# Allegro board BeagleBone_AI-64_Rev_B1_PCB_220602.brd (continued)
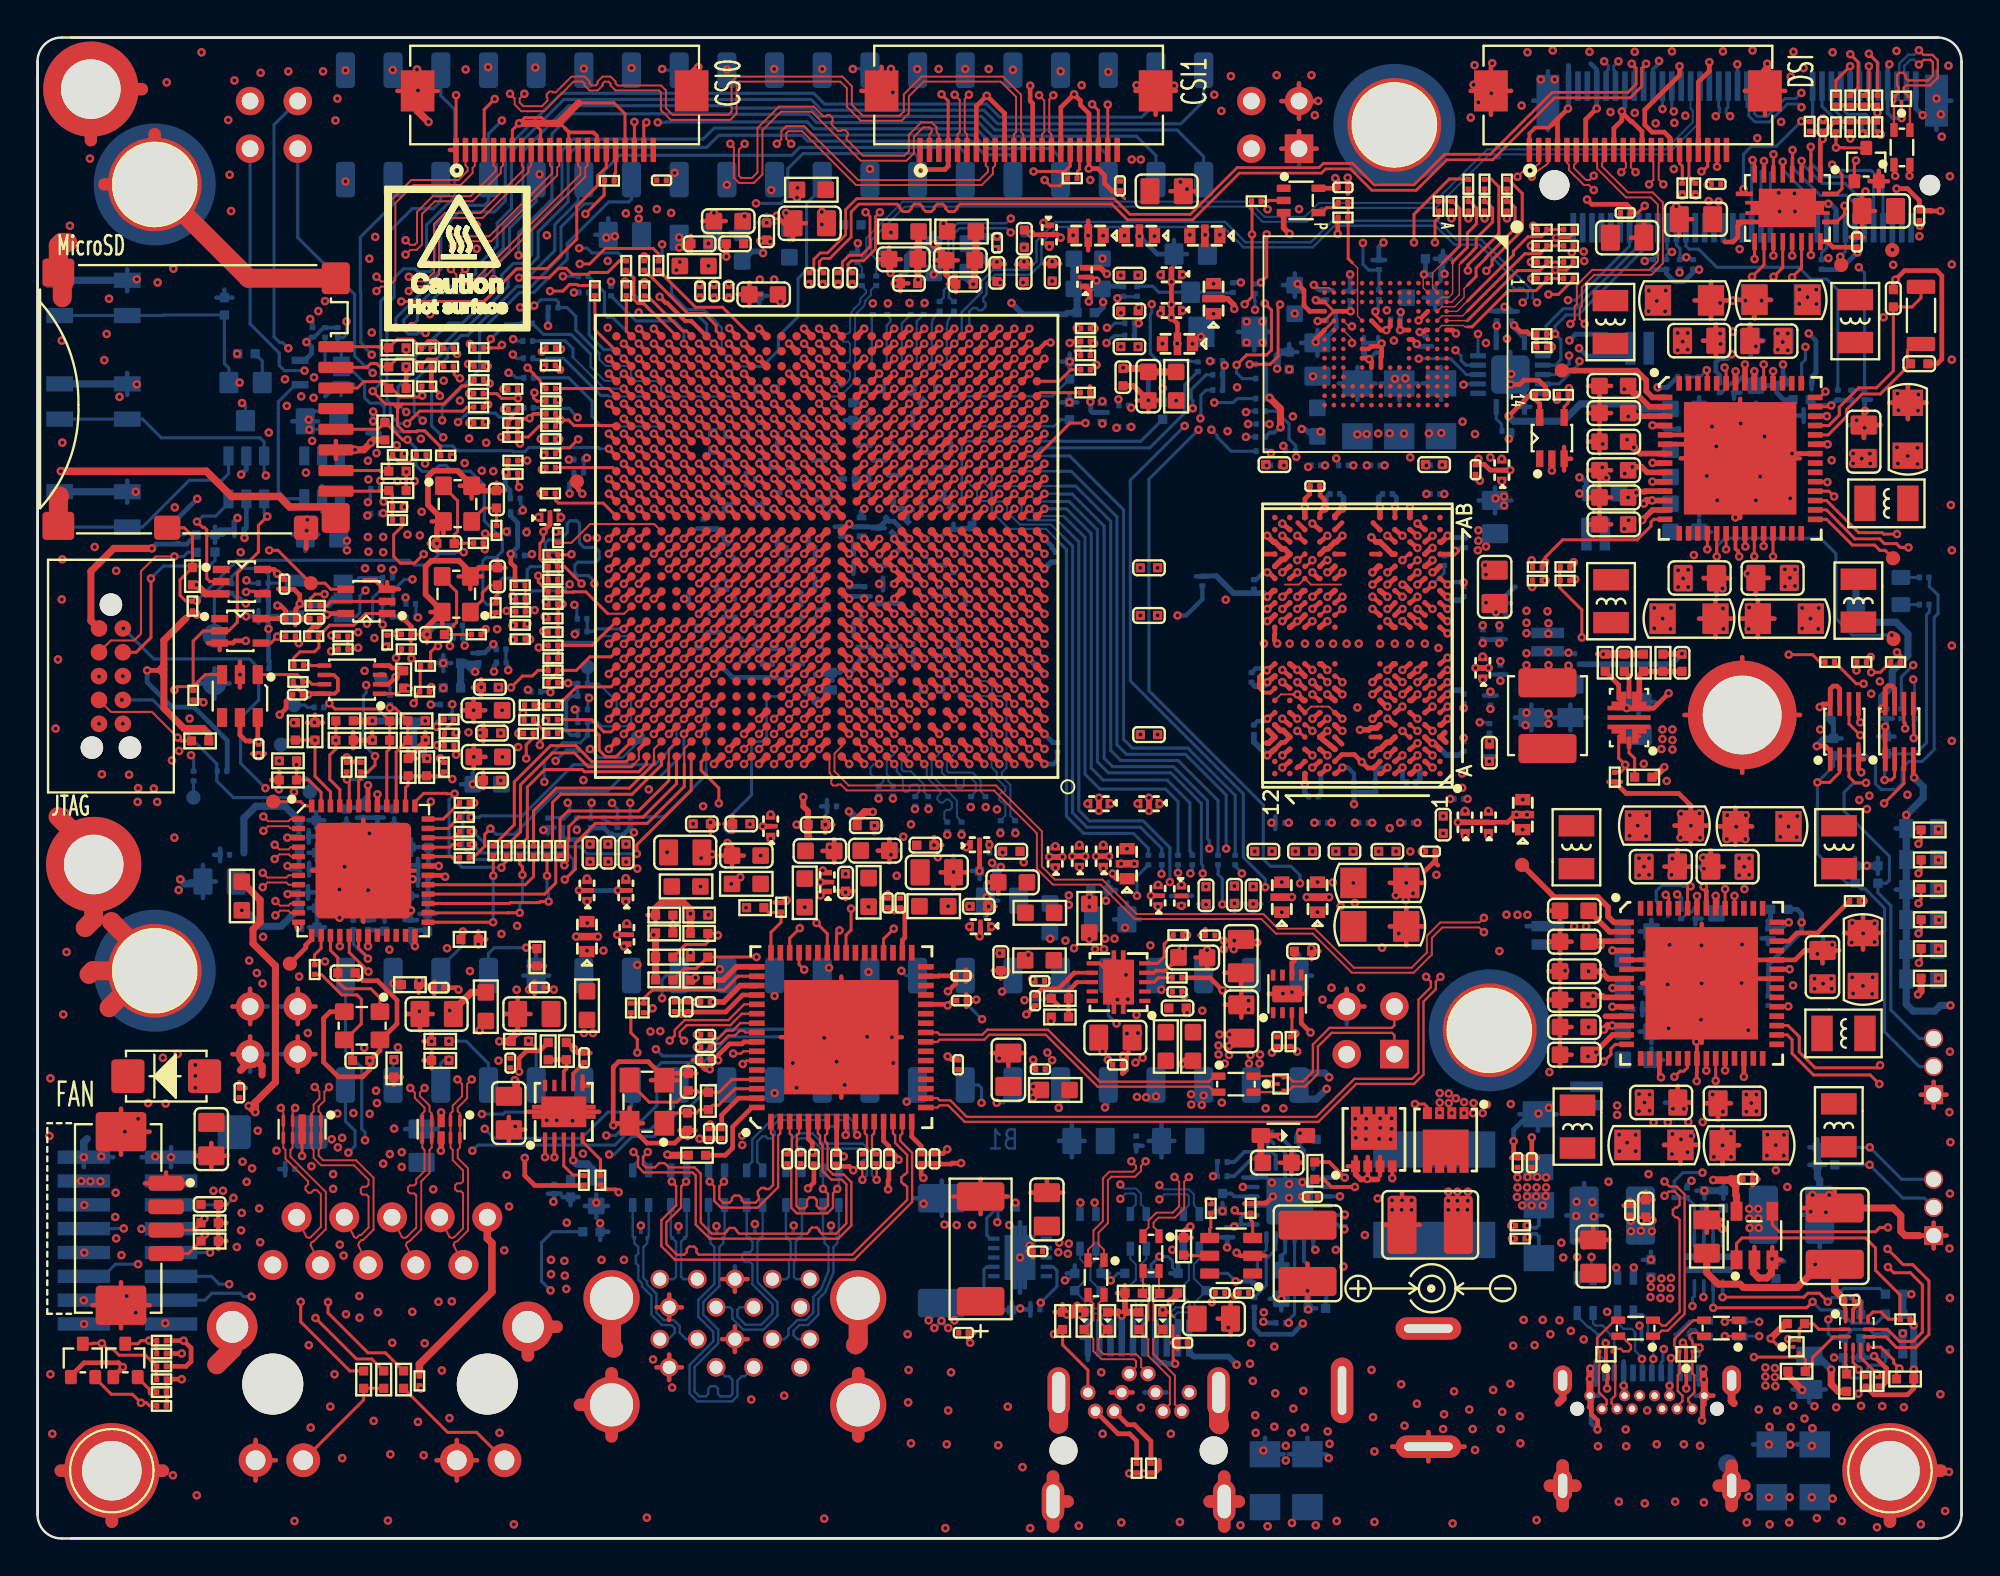
[diagram p0: board, top side]
## Nets (continued)
V3V3_VDD33USB: C4.1 C247.1 C323.1 C324.1 C356.1 C358.1 C381.1 C385.1 C399.1 FL22.1 U20.16 U20.34 U20.52 U20.63
V4_USBC_INT: R82.2 U19.V4 U21.6
V5_AB25: P9.29 R128.2 R264.2
V5_SYS_BOOTMODE5: R264.1 R269.1 R270.2 U19.V5
V6_AE28: P9.30 R132.2 R242.2
V6_SYS_BOOTMODE4: R238.1 R241.2 R242.1 U19.V6
V23_DSI_GPIO1: R349.1 U19.V23
V24_LED_USR3: R371.1 U19.V24
V25_CSI1_GPIO1: J15.17 U19.V25
V26_LED_USR4: R372.1 U19.V26
V27_EHRPWM0_B: P8.13 U19.V27
V28_MCASP10_AXR0: U19.V28 U32.17
V29_EHRPWM0_A: P8.19 U19.V29
VBUS_5V0_TYPEA: C142.1 C157.1 C384.1 C388.1 J8.1 J8.10(VBUS_1) U4.9
VCC_LM5141: C453.1 D41.1 U3.10
VDD1_LPDDR4_1V8_REG: C494.1 R31.1 U30.13
VDD_1V1: C339.1 C414.1 C540.1 FL12.1 FL24.1 R244.1 R277.1 U18.9 U18.10
VDD_2V5: C315.1 C433.1 FL8.1 FL9.1 R166.1 R243.1 U9.9 U9.10
VDD_ADC_1V8_3V3: FL1.2 P9.32
VDD_ADC_1V8_3V3_REG: C493.1 FL1.1 U30.11
VDD_CORE_0V8: C14.1 C16.1 C32.1 C35.1 C74.1 C75.1 C86.1 C86.3(OUTPUT) C95.1 C95.3(OUTPUT) C102.1 C104.1 C107.1 C108.1 C108.3(OUTPUT) C117.1 C117.3(OUTPUT) C123.1 C150.1 C158.1 C159.1 C163.1 C178.1 C192.1 C196.1 C197.1 C198.1 C202.1 C203.1 C204.1 C207.1 C207.3(OUTPUT) C209.1 C214.1 C216.1 C217.1 C218.1 C219.1 C219.3(OUTPUT) C225.1 C231.1 C232.1 C233.1 C234.1 C235.1 C236.1 C242.1 C374.1 C374.3(OUTPUT) C376.1 C391.1 C392.1 C392.3(OUTPUT) C393.1 C393.3(OUTPUT) C412.1 C412.3(OUTPUT) C432.1 C432.3(OUTPUT) C438.1 C438.3(OUTPUT) C442.1 C448.1 C450.1 C454.1 C454.3(OUTPUT) C461.1 C461.3(OUTPUT) C464.1 C465.1 C500.1 C503.1 C514.1 C515.1 FL5.1 FL7.1 FL14.1 FL16.1 FL17.1 FL20.1 FL21.1 L16.2 L17.2 L20.2 L21.2 U19.J10 U19.K9 U19.K11 U19.K13 U19.K15 U19.K17 U19.L10 U19.L16 U19.L18 U19.M15 U19.N14 U19.N16 U19.N18 U19.P13 U19.P15 U19.P17 U19.R14 U19.R16 U19.R18 U19.R20 U19.T9 U19.T15 U19.T17 U19.U14 U19.U16 U19.U18 U19.V15 U19.V17 U19.V20 U19.W14 U29.22
VDD_CORE_0V8_REG_SW1: L20.1 U29.27 U29.28
VDD_CORE_0V8_REG_SW2: L17.1 U29.15 U29.16
VDD_CORE_0V8_REG_SW3: L21.1 U29.43 U29.44
VDD_CORE_0V8_REG_SW4: L16.1 U29.55 U29.56
VDD_CORE_RAM_0V85: C120.1 C124.1 C189.1 C199.1 C220.1 C252.1 FL4.2 U19.L14 U19.V13 U19.V16 U19.W19
VDD_CPU_AVS: C9.1 C10.1 C24.1 C62.1 C71.1 C80.1 C105.1 C155.1 C162.1 C165.1 C166.1 C167.1 C168.1 C169.1 C169.3(OUTPUT) C175.1 C176.1 C184.1 C195.1 C195.3(OUTPUT) C395.1 C403.1 C411.1 C415.1 C415.3(OUTPUT) C423.1 C424.1 C425.1 C426.1 C426.3(OUTPUT) C435.1 C435.3(OUTPUT) C436.1 C436.3(OUTPUT) C437.1 C437.3(OUTPUT) C441.1 C441.3(OUTPUT) C444.1 C444.3(OUTPUT) C506.1 C518.1 C519.1 L19.2 L23.2 L24.2 U19.N10 U19.P11 U19.R10 U19.R12 U19.U10 U19.V9 U19.V11 U19.W10 U30.22
VDD_CPU_AVS_REG_SW1: L24.1 U30.27 U30.28
VDD_CPU_AVS_REG_SW2: L19.1 U30.15 U30.16
VDD_CPU_AVS_REG_SW3: L23.1 U30.43 U30.44
VDD_CPU_RAM_0V85: C109.1 C112.1 C171.1 C187.1 FL25.2 U19.L11 U19.W12
VDD_DDR_1V1: C49.1 C50.1 C53.1 C55.1 C56.1 C57.1 C60.1 C61.1 C64.1 C69.1 C70.1 C73.1 C82.1 C85.1 C90.1 C98.1 C103.1 C115.1 C116.1 C127.1 C128.1 C130.1 C131.1 C133.1 C134.1 C139.1 C140.1 C141.1 C145.1 C146.1 C147.1 C413.1 C413.3(OUTPUT) C417.1 C417.3(OUTPUT) C418.1 C418.3(OUTPUT) C422.1 C422.3(OUTPUT) C428.1 C429.1 C430.1 C431.1 C431.3(OUTPUT) C451.1 C452.1 C457.1 C460.1 C463.1 C466.1 C468.1 C469.1 C470.1 C471.1 C471.3(OUTPUT) C472.1 C473.1 C473.3(OUTPUT) C474.1 C474.3(OUTPUT) C475.1 C476.1 C477.1 C477.3(OUTPUT) C479.1 C479.3(OUTPUT) R34.2 R38.1 R39.1 R42.1 R43.1 R44.1 U19.A1 U19.G8 U19.H7 U19.J6 U19.J8 U19.K7 U19.L8 U19.M7 U19.M9 U19.N8 U19.P7 U19.R6 U19.R8 U19.T1 U19.T7 U25.A4 U25.A9 U25.AA3 U25.AA5 U25.AA8 U25.AA10 U25.AB4 U25.AB9 U25.B3 U25.B5 U25.B8 U25.B10 U25.D1 U25.D5 U25.D8 U25.D12 U25.F3 U25.F5 U25.F8 U25.F10 U25.H1 U25.H5 U25.H8 U25.H12 U25.K1 U25.K3 U25.K10 U25.K12 U25.N1 U25.N3 U25.N10 U25.N12 U25.R1 U25.R5 U25.R8 U25.R12 U25.U3 U25.U5 U25.U8 U25.U10 U25.W1 U25.W5 U25.W8 U25.W12 U29.49
VDD_DDR_1V1_REG: C45.1 C47.1 C504.1 L15.2 R34.1 R347.1 R348.1
VDD_DDR_1V8: C52.1 C54.1 C58.1 C59.1 C65.1 C77.1 C79.1 C89.1 C97.1 C99.1 C100.1 R31.2 U25.F1 U25.F12 U25.G4 U25.G9 U25.T4 U25.T9 U25.U1 U25.U12
VDD_IO_1V8_REG: C485.1 R33.1 U29.9
VDD_MCU_0V85: C244.1 C250.1 C250.3(OUTPUT) C251.1 C255.1 C340.1 C340.3(OUTPUT) C341.1 C341.3(OUTPUT) C343.1 C344.1 C345.1 C345.3(OUTPUT) C346.1 C347.1 C347.3(OUTPUT) FL13.1 R29.2 U19.L20 U19.M19 U19.M21 U19.N20 U19.P19 U30.50
VDD_MCU_0V85_REG: C30.1 C505.1 L18.2 R29.1
VDD_MCU_0V85_REG_SW: L18.1 U30.55 U30.56
VDD_MCU_RAM_0V85: C249.1 C349.1 C354.1 FL13.2 U19.K19 U19.T19
VDD_MMC1: C296.1 C301.1 J12.4 U5.5 U5.6(VOUT)
VDD_PHYIO_1V8: C1.1 C528.1 FL2.1 FL6.1 FL15.1 FL18.1 FL19.1 L25.2 U30.37
VDD_PHYIO_1V8_REG_SW: L25.1 U30.34
VDD_RAM_0V85_REG: C3.1 C524.1 FL4.1 FL25.1 L22.2 U29.37
VDD_RAM_0V85_REG_SW: L22.1 U29.34
VDD_SD_DV: C279.1 R32.2 R188.1 R189.1 R201.1 R202.1 R203.1 U19.T20 U19.T22
VDD_SD_DV_REG: C487.1 R32.1 U29.13
VDDA_0P8_CSIRX: C211.1 C213.1 C222.1 FL7.2 U19.H17
VDDA_0P8_DLL_MMC0: C113.1 C114.1 C154.1 FL3.2 U19.Y9
VDDA_0P8_DP: C148.1 C153.1 C179.1 C181.1 FL5.2 U19.G12 U19.J12
VDDA_0P8_DP_C: C194.1 C201.1 C386.1 C387.1 FL20.2 U19.G14 U19.H13
VDDA_0P8_DSITX: C210.1 C370.1 C372.1 FL16.2 U19.H15 U19.J16
VDDA_0P8_PLL_DDR: C156.1 C400.1 C401.1 FL23.2 U19.N9
VDDA_0P8_PLL_MLB: C144.1 C420.1 C427.1 FL26.2 U19.W8
VDDA_0P8_SERDES: C172.1 C183.1 C212.1 C276.1 C352.1 FL14.2 U19.AA12 U19.AA15 U19.Y11 U19.Y13 U19.Y14 U19.Y16
VDDA_0P8_SERDES_C: C193.1 C200.1 C206.1 C369.1 FL17.2 U19.AB12 U19.AB13 U19.AB14 U19.AB15
VDDA_0P8_USB: C238.1 C389.1 C390.1 FL21.2 U19.AA10 U19.AB9
VDDA_1P8_CSI_RX: C215.1 C363.1 C364.1 FL15.2 U19.G16
VDDA_1P8_DP: C173.1 C378.1 C379.1 FL18.2 U19.H11
VDDA_1P8_DSITX: C111.1 C149.1 C186.1 C191.1 FL6.2 U19.AC8 U19.J14 U19.W7
VDDA_1P8_SERDES: C87.1 C94.1 C190.1 C205.1 FL2.2 U19.AC11 U19.AC12 U19.AC14 U19.AC15
VDDA_1P8_USB: C161.1 C382.1 C383.1 FL19.2 U19.AC9
VDDA_LM5141: C106.2 U3.1 U3.2 U3.5 U3.19
VINT_LEOA_1V8: C489.1 R338.1 U30.2
VINT_LEOB_1V8: C482.1 U29.2
A23_USB_HUB_RST: R289.1 U19.A23
AA1_UART1_CTSN: U19.AA1 U32.13
AA2_UART0_RTSN: R55.1 U19.AA2
AA3_I2C6_SCL: R78.1 U19.AA3
AA4_UART1_RXD: U19.AA4 U32.15
AA6_I2C1_SDA: J15.21 R51.2 U19.AA6 U21.7
AA24_PRG0_PRU1_GPO7: P8.40 U19.AA24
AA25_PRG0_UART0_TXD: P8.29 U19.AA25
AA26_GPIO0_81: R255.1 U19.AA26
AA27_I2C5_SDA: J13.21 R235.2 U19.AA27
AA28_PRG0_PRU1_GPO8: P8.27 U19.AA28
AA29_USD_PWR_EN: R153.2 U6.2 U19.AA29
AB1_EQEP0_B: R48.1 U19.AB1
AB2_UART0_RXD: R373.1 U19.AB2
AB3_UART0_TXD: R375.1 U19.AB3
AB4_UART1_TXD: U19.AB4 U32.14
AB5_UART1_RTSN: U19.AB5 U32.12
AB23_MCAN8_RX: P8.23 U19.AB23
AB24_SYS_BOOTMODE7: P8.11 R118.2 R119.1 U19.AB24
AB25_MCASP0_AFSX: R128.1 U19.AB25
AB26_MCASP0_ACLKX: R254.1 U19.AB26
AB27_SYS_BOOTMODE6: P8.42 Q1.3 R218.1 R231.2 U19.AB27
AB28_PRG0_PWM0_TZ_OUT: P8.16 U19.AB28
AB29_PRG0_ECAP0_IN_APWM_OUT: P8.15 U19.AB29
AC2_AJ21: P9.42 R46.2 R53.2
AC2_EQEP0_A: R53.1 U19.AC2
AC4_EQEP0_S: R302.1 U19.AC4
AC4_W26: P9.25 R150.2 R302.2
AC21_AA3: P9.17 R78.2 R221.2
AC21_SPI6_CS0: R221.1 U19.AC21
AC22_SYS_BOOTMODE1: R232.2 R233.1 R234.1 U19.AC22
AC22_U29: P9.22 R234.2 R250.2
AC23_UART0_RXD: P9.11 U19.AC23
AC24_MCAN6_TX: P8.10 U19.AC24
AC25_PRG0_PRU1_GPO3: P8.44 U19.AC25
AC26_PRG0_PRU1_GPO6: P8.39 U19.AC26
AC27_PRG0_PWM2_A1: P8.26 U19.AC27
AC28_GPIO0_50: R129.1 U19.AC28
AC29_SYS_BOOTMODE2: P8.4 R258.2 R259.1 U19.AC29
AD5_EQEP0_I: P9.41 U19.AD5
AD20_SYS_BOOTMODE0: P8.24 R123.1 R133.2 U19.AD20
AD21_PRG1_PRU0_GPO10: R224.1 U19.AD21
AD22_UART2_TXD: P8.34 U19.AD22
AD23_EQEP1_A: R220.1 U19.AD23
AD23_Y3: P8.35 R67.2 R220.2
AD24_MCAN5_RX: P8.7 U19.AD24
AD25_PRG0_PRU0_GPO4: P9.15 U19.AD25
AD26_AB1: P9.27 R48.2 R130.2
AD26_MCASP0_AFSR: R130.1 U19.AD26
AD27_PRG0_PRU1_GPO2: P8.43 U19.AD27
AD28_UART4_RTSN: R253.1 U19.AD28
AD29_PRG0_PRU1_GPO4: P8.41 U19.AD29
AE20_MCAN4_TX: P8.36 U19.AE20
AE21_M.2_UART_WAKE#: J4.20 R5.2 U19.AE21
AE22_PWR_ST: R26.2 U19.AE22
AE23_M.2_SDIO_WAKE#: U2.10 U19.AE23
AE24_MCAN6_RX: P8.9 U19.AE24
AE25_UART2_CTSN: R223.1 U19.AE25
AE26_DP0_3V3_EN: R315.1 U19.AE26 U22.3
AE27_MCASP0_ACLKR: P9.12 U19.AE27
AE28_MCASP0_AXR1: R132.1 U19.AE28
AE29_UART4_CTSN: R252.1 U19.AE29
AF21_MCAN8_TX: P8.21 U19.AF21
AF22_PRG1_PWM2_A0: P8.17 U19.AF22
AF23_M.2_I2C_ALERT#: U2.11 U19.AF23
AF24_MCAN4_TX: R251.1 U19.AF24
AF26_PRG0_PWM1_B0: P8.20 U19.AF26
AF27_PRG0_PWM1_A0: P8.14 U19.AF27
AF28_MCASP0_AXR0: R131.1 U19.AF28
AF29_UART2_RTSN: R222.1 U19.AF29
AG20_SPI6_CS1: P9.23 U19.AG20
AG21_AD28: P8.32 R101.2 R253.2
AG21_EQEP1_S: R101.1 U19.AG21
AG22_UART0_TXD: P9.13 U19.AG22
AG23_M.2_RTSZ: J4.52 R19.1 R24.1 U19.AG23
AG24_MCAN5_TX: P8.8 U19.AG24
AG25_MCAN7_RX: P8.6 U19.AG25
AG26_PRG0_PRU1_GPO11: P8.30 U19.AG26
AG27_GPIO0_58: R257.1 U19.AG27
AG28_GPIO0_57: R108.1 U19.AG28
AG29_PRG0_PRU1_GPO16: P8.45 U19.AG29
AH21_MCAN6_TX: P8.3 U19.AH21
AH22_SPI6_D1: R103.1 U19.AH22
AH22_Y2: P9.18 R57.2 R103.2
AH23_UART2_RXD: P8.22 U19.AH23
AH24_AA2: P8.33 R55.2 R105.2
AH24_EQEP1_B: R105.1 U19.AH24
AH25_MCAN7_TX: P8.5 U19.AH25
AH26_PRG1_PRU1_GPO14: P8.25 U19.AH26
AH27_GPIO0_55: R109.1 U19.AH27
AH28_PRG0_PWM0_A2: P8.12 U19.AH28
AH29_GPIO0_56: R278.1 U19.AH29
AJ20_MCAN4_RX: R284.1 U19.AJ20
AJ21_PRG1_PRU0_GPO17: R46.1 U19.AJ21
AJ22_SPI6_D0: R282.1 U19.AJ22
AJ22_U28: P9.21 R151.2 R282.2
AJ23_PRG1_PWM3_A2: P8.18 U19.AJ23
AJ24_MCAN4_RX: R283.1 U19.AJ24
AJ25_AE29: P8.31 R252.2 R280.2
AJ25_EQEP1_I: R280.1 U19.AJ25
AJ26_M.2_W_DISABLE2#: J4.54(W_DISABLE2#(O)(0/3.3V)) R27.2 U19.AJ26
AJ27_M.2_W_DISABLE1#: J4.56 R28.2 U19.AJ27
AJ28_GPIO0_54: R281.1 U19.AJ28
B_USB1_DN1_D_N: D16.3(IO2) J8.2 L9.2
B_USB1_DN1_D_P: D16.2 J8.3 L9.3
B_USB1_SSRX_DN1_N: D18.3(IO2) J8.5 L11.2
B_USB1_SSRX_DN1_P: D18.2 J8.6 L11.3
B_USB1_SSTX_DN1_N: D13.3(IO2) J8.8 L6.2
B_USB1_SSTX_DN1_P: D13.2 J8.9 L6.3
BOARDID_EEPROM_WP: R377.2 U19.G24
C23_WKUP_GPIO0_35: J10.4 U19.C23
C29_WKUP_GPIO0_59: R260.1 U19.C29
C_DP0_AUX_N: C119.1 U19.G6
C_DP0_AUX_P: C121.1 U19.F7
C_DP0_TX0_N: C174.1 U19.B11
C_DP0_TX0_P: C185.1 U19.A12
C_DP0_TX1_N: C151.1 U19.B10
C_DP0_TX1_P: C164.1 U19.A11
C_DP0_TX2_N: C129.1 U19.B8
C_DP0_TX2_P: C135.1 U19.A9
C_DP0_TX3_N: C125.1 U19.B7
C_DP0_TX3_P: C126.1 U19.A8
C_PCIE1_TX0_N: C377.1 U19.AF15
C_PCIE1_TX0_P: C375.1 U19.AG14
C_PCIE1_TX1_N: C368.1 U19.AF16
C_PCIE1_TX1_P: C373.1 U19.AG15
C_USB1_SSTX_DN1_N: C534.1 U20.4
C_USB1_SSTX_DN1_P: C533.1 U20.3
C_USB1_SSTX_DN2_N: C536.1 U20.12
C_USB1_SSTX_DN2_P: C535.1 U20.11
C_USB_SS_TX1_N: C538.1 U19.AF10
C_USB_SS_TX1_P: C537.1 U19.AG9
C_USB_SS_TX2_N: C143.1 U19.AF9
C_USB_SS_TX2_P: C132.1 U19.AG8
C_USBA_SS_TX_N: C188.1 U19.AF12
C_USBA_SS_TX_P: C177.1 U19.AG11
C_USBA_SSRX_UP_N: C532.2 U20.56
C_USBA_SSRX_UP_P: C531.2 U20.55
COMP_LM5141: C91.1 R45.1 U3.20
CON_DP0_AUX_N: D39.1(I/O) J7.18 L13.2 R311.2
CON_DP0_AUX_P: D38.1(I/O) J7.16 L13.3 R307.1
CON_DP0_TX0_N: D11.1(I/O) J7.5 L5.3
CON_DP0_TX0_P: D12.1(I/O) J7.3 L5.2
CON_DP0_TX1_N: D9.1(I/O) J7.11 L4.3
CON_DP0_TX1_P: D10.1(I/O) J7.9 L4.2
CON_DP0_TX2_N: D6.1(I/O) J7.17 L3.3
CON_DP0_TX2_P: D8.1(I/O) J7.15 L3.2
CON_DP0_TX3_N: D37.1(I/O) J7.12 L12.2
CON_DP0_TX3_P: D36.1(I/O) J7.10 L12.3
CP2: R12.1 R355.2 U1.3
CS_LM5141: C548.1 R392.1 U3.18
CSI0_RX0_N: J13.2 U19.B19
CSI0_RX0_P: J13.3 U19.A20
CSI0_RX1_N: J13.5 U19.D18
CSI0_RX1_P: J13.6 U19.C19
CSI0_RX2_N: J13.11 U19.D17
CSI0_RX2_P: J13.12 U19.C18
CSI0_RX3_N: J13.14 U19.E16
CSI0_RX3_P: J13.15 U19.E17
CSI0_RXCLK_N: J13.8 U19.B20
CSI0_RXCLK_P: J13.9 U19.A21
CSI0_RXRCALIB: R99.1 U19.F16
CSI1_RX0_N: J15.2 U19.B16
CSI1_RX0_P: J15.3 U19.A17
CSI1_RX1_N: J15.5 U19.D15
CSI1_RX1_P: J15.6 U19.C16
CSI1_RX2_N: J15.11 U19.D14
CSI1_RX2_P: J15.12 U19.C15
CSI1_RX3_N: J15.14 U19.E13
CSI1_RX3_P: J15.15 U19.E14
CSI1_RXCLK_N: J15.8 U19.B17
CSI1_RXCLK_P: J15.9 U19.A18
CSI1_RXRCALIB: R98.1 U19.F15
D23_MCU_UART0_TXD: J10.8 U19.D23
D25_MCU_I3C0_SDA: R211.1 U19.D25
D26_MCU_I3C0_SCL: R245.1 U19.D26
DC_VDD_5V: C36.1 C488.1 J6.1 P9.5 P9.6 R350.1 R352.1 U1.7
DDR0_CAL0: R83.1 U19.H2
DP0_AUX_N: C119.2 L13.1
DP0_AUX_P: C121.2 L13.4
DP0_CONFIG1: J7.4 R308.2
DP0_CONFIG2: J7.6 R309.2
DP0_HPD: J7.2 R298.1 U19.Y4
DP0_TX0_N: C174.2 L5.4
DP0_TX0_P: C185.2 L5.1
DP0_TX1_N: C151.2 L4.4
DP0_TX1_P: C164.2 L4.1
DP0_TX2_N: C129.2 L3.4
DP0_TX2_P: C135.2 L3.1
DP0_TX3_N: C125.2 L12.1
DP0_TX3_P: C126.2 L12.4
DSI_I2C4_SCL: J16.20 R75.2 U19.AD19
DSI_I2C4_SDA: J16.21 R76.2 U19.AD18
DSI_TX0_N: J16.2 U19.D11
DSI_TX0_P: J16.3 U19.C12
DSI_TX1_N: J16.5 U19.D12
DSI_TX1_P: J16.6 U19.C13
DSI_TX2_N: J16.11 U19.B13
DSI_TX2_P: J16.12 U19.A14
DSI_TX3_N: J16.14 U19.B14
DSI_TX3_P: J16.15 U19.A15
DSI_TXCLK_N: J16.8 U19.E10
DSI_TXCLK_P: J16.9 U19.E11
DSI_TXRCALIB: R92.1 U19.F12
E22_WKUP_GPIO0_37: J10.3 U19.E22
E24_MCU_BOOTMODE01: R121.2 R126.1 U19.E24
E26_MCU_I3C0_SDAPULLEN: R210.1 U19.E26
E27_MCU_BOOTMODE00: R107.2 R120.1 U19.E27
E28_MCU_BOOTMODE02: R112.2 R113.1 U19.E28
EEPROM_WP: R155.2 R156.1 R377.1 TP15.1(TP) U7.5(WP)
EMMC_CLK: R305.2 U26.M6
EMMC_CMD: R303.2 R304.2 U26.M5
EMMC_DAT0: R325.2 R326.2 U26.A3
EMMC_DAT1: R333.2 R340.2 U26.A4
EMMC_DAT2: R335.2 R342.2 U26.A5
EMMC_DAT3: R321.2 R322.2 U26.B2
EMMC_DAT4: R323.2 R324.2 U26.B3
EMMC_DAT5: R327.2 R328.2 U26.B4
EMMC_DAT6: R334.2 R341.2 U26.B5
EMMC_DAT7: R336.2 R343.2 U26.B6
EMMC_DS: R41.1 U26.H5
EMMC_RESET: R319.2 R320.2 U26.K5
EMMC_VCCI: C63.1 C66.1 U26.C2
EN_1V1: R276.2 U18.5
EN_2V5: R163.2 U9.5
EN_3V3IO_LDSW: R317.1 U23.3 U29.53
EN_DDR_BUCK: R345.1 U28.8 U29.46
EN_DRV_OUT: TP14.1(TP) U30.29
EN_LM5141_ON: R56.2 U3.23
EXP_USB1_DN4_D_N: D40.3(IO2) L14.2 P9.E2
EXP_USB1_DN4_D_P: D40.2 L14.3 P9.E1
F25_MCU_BOOTMODE04: J10.9 R139.2 R140.1 U19.F25
F26_MCU_BOOTMODE03: D52.2 J10.7 Q1.1 R246.1 R247.2 SW1.2 SW1.4(B2) U19.F26
F27_MCU_SPI1_CS0: J10.5 U19.F27
F28_MCU_BOOTMODE05: J10.11 R114.1 R115.2 U19.F28
FAN_PWM: D49.2 J1.4 Q5.3 R374.2 R384.2
FAN_TACH: D48.2 J1.3 Q6.3 R376.2 R385.2
FB_1V1: R277.2 R299.1 U18.8
FB_2V5: R164.1 R166.2 U9.8
G22_MCU_UART0_RXD: J10.6 U19.G22
G26_MCU_I2C1_SDA: R194.1 U19.G26
G27_MCU_I2C1_SCL: R200.1 U19.G27
G29_MCU_BOOTMODE08: R143.2 R144.1 U19.G29
GRSTZ: R288.2 R289.2 U20.50
H27_MCU_TIMER_IO1: J10.2 U19.H27
H28_MCU_BOOTMODE09: R137.2 R138.1 U19.H28
H29_MCU_BOOTMODE06: R267.1 R268.2 U19.H29
H_DDR_RET_1V1: R44.2 U19.P6 U29.47
H_MCU_INT#: R127.2 R329.2 U29.14 U30.14
H_MCU_PORZ: R239.2 R330.2 U12.4(Y) U30.25
H_PMIC_WAKE: R337.2 U27.4(Y) U30.47
H_SOC_PORZ: R20.2 R240.2 U30.53
HB_LM5141: C92.1 D41.2(C) U3.11
HO_LM5141: R318.1 U3.13
HOL_LM5141: Q3.4(G) R318.2 U3.14
ILIM_V3V3_DP0: R312.1 U22.5
ILM: R16.1 U1.10
J27_MCU_BOOTMODE07: R124.2 R125.1 U19.J27
J28_WKUP_UART0_TXD: U19.J28 U33.5
J29_WKUP_UART0_RXD: U19.J29 U33.6
K24_AIN4/AC28_GPIO0_50: D34.2 P9.33 R129.2 R145.2
K25_AIN0/AJ28_GPIO0_54: D24.2 P9.39 R187.2 R281.2
K26_AIN1/AA26_GPIO0_81: D30.2 P9.40 R148.2 R255.2
K27_AIN5/AH29_GPIO0_56: D35.2 P9.36 R177.2 R278.2
K28_AIN2/AG28_GPIO0_57: D32.2 P9.37 R108.2 R117.2
K29_AIN6/AH27_GPIO0_55: D31.2 P9.35 R109.2 R265.2
L28_AIN3/AG27_GPIO0_58: D33.2 P9.38 R257.2 R266.2
LEOA_GPIO9: TP13.1(TP) U30.19
LEOA_OSC32KCAP: C7.1 U30.40
LEOA_OSC32KIN: C529.2 U30.38 X5.2
LEOA_OSC32KOUT: C527.2 U30.39 X5.1
LEOA_SCLK: U29.23 U30.23
LEOA_SDATA: U29.24 U30.24
LEOA_WDOG_DISABLE: R3.2 R4.2 R6.2 U30.41
LEOB_ENABLE: R338.2 R339.2 U29.20
LM5141_PG: R47.2 R176.1 U3.21
LM5141_PG_R: R176.2 U16.2
LO_LM5141: R60.1 U3.8
LOL_LM5141: R61.1 U3.7
LPDDR4_CA0: U19.G4 U25.H2 U25.R2
LPDDR4_CA1: U19.H3 U25.J2 U25.P2
LPDDR4_CA2: U19.K5 U25.H9 U25.R9
LPDDR4_CA3: U19.J4 U25.H10 U25.R10
LPDDR4_CA4: U19.K2 U25.H11 U25.R11
LPDDR4_CA5: U19.H5 U25.J11 U25.P11
LPDDR4_CK_C: U19.J1 U25.J9 U25.P9
LPDDR4_CK_T: U19.H1 U25.J8 U25.P8
LPDDR4_CKE0: U19.G3 U25.J4 U25.P4
LPDDR4_CKE1: U19.J3 U25.J5 U25.P5
LPDDR4_CSN0_0: U19.J5 U25.H4
LPDDR4_CSN0_1: U19.K3 U25.R4
LPDDR4_CSN1_0: U19.G5 U25.H3
LPDDR4_CSN1_1: U19.J2 U25.R3
LPDDR4_DM0_DBI0#: U19.A3 U25.C3
LPDDR4_DM1_DBI1#: U19.E4 U25.C10
LPDDR4_DM2_DBI2#: U19.N1 U25.Y3
LPDDR4_DM3_DBI3#: U19.R5 U25.Y10
LPDDR4_DQ0: U19.A5 U25.B2
LPDDR4_DQ1: U19.A6 U25.C2
LPDDR4_DQ2: U19.B5 U25.E2
LPDDR4_DQ3: U19.C2 U25.F2
LPDDR4_DQ4: U19.B4 U25.F4
LPDDR4_DQ5: U19.C3 U25.E4
LPDDR4_DQ6: U19.A2 U25.C4
LPDDR4_DQ7: U19.A4 U25.B4
LPDDR4_DQ8: U19.D1 U25.B11
LPDDR4_DQ9: U19.C4 U25.C11
LPDDR4_DQ10: U19.F1 U25.E11
LPDDR4_DQ11: U19.G2 U25.F11
LPDDR4_DQ12: U19.F2 U25.F9
LPDDR4_DQ13: U19.F3 U25.E9
LPDDR4_DQ14: U19.D3 U25.C9
LPDDR4_DQ15: U19.F5 U25.B9
LPDDR4_DQ16: U19.L5 U25.AA2
LPDDR4_DQ17: U19.M5 U25.Y2
LPDDR4_DQ18: U19.N5 U25.V2
LPDDR4_DQ19: U19.L4 U25.U2
LPDDR4_DQ20: U19.L2 U25.U4
LPDDR4_DQ21: U19.L1 U25.V4
LPDDR4_DQ22: U19.N2 U25.Y4
LPDDR4_DQ23: U19.N4 U25.AA4
LPDDR4_DQ24: U19.T3 U25.AA11
LPDDR4_DQ25: U19.T2 U25.Y11
LPDDR4_DQ26: U19.P2 U25.V11
LPDDR4_DQ27: U19.P3 U25.U11
LPDDR4_DQ28: U19.P5 U25.U9
LPDDR4_DQ29: U19.R4 U25.V9
LPDDR4_DQ30: U19.T4 U25.Y9
LPDDR4_DQ31: U19.T5 U25.AA9
LPDDR4_DQS0_N: U19.B1 U25.E3
LPDDR4_DQS0_P: U19.B2 U25.D3
LPDDR4_DQS1_N: U19.E2 U25.E10
LPDDR4_DQS1_P: U19.E3 U25.D10
LPDDR4_DQS2_N: U19.M2 U25.V3
LPDDR4_DQS2_P: U19.M3 U25.W3
LPDDR4_DQS3_N: U19.R1 U25.V10
LPDDR4_DQS3_P: U19.R2 U25.W10
LPDDR4_ODT_CA_A: R38.2 U25.G2
LPDDR4_ODT_CA_B: R39.2 U25.T2
LPDDR4_RST#: R66.1 U19.K6 U25.T11
LPDDR4_ZQ0: R42.2 U25.A5
LPDDR4_ZQ1: R43.2 U25.A8
LS2_CT: C455.1 U23.6
M2_USB1_DN3_D_N: D42.2 J4.5 L26.3
M2_USB1_DN3_D_P: D42.3(IO2) J4.3 L26.2
M.2_I2C0_SCL: R52.2 U2.13 U19.AC5
M.2_I2C0_SCL_1V8: J4.60 R332.2 U2.2
M.2_I2C0_SDA: R54.2 U2.12 U19.AA5
M.2_I2C0_SDA_1V8: J4.58 R331.2 U2.3
M.2_I2C_ALERT#_1V8: J4.62 U2.4
M.2_LED1#: J4.6 TP12.1(TP)
M.2_LED2#: J4.16 TP11.1(TP)
M.2_MCASP10_ACLKX_1.8V: J4.8 U32.1
M.2_MCASP10_AFSX_1.8V: J4.10 U32.3
M.2_MCASP10_AXR0_1.8V: J4.12 U32.4
M.2_MCASP10_AXR3_1.8V: J4.14 U32.5
M.2_SDIO_RESET#_1V8: J4.23 Q4.3 R359.2
M.2_SDIO_WAKE#_1V8: J4.21 R361.2 U2.5
M.2_SUSCLK: J4.50 R4.1
M.2_UART1_CTSN_1.8V: J4.34 U32.8
M.2_UART1_RTSN_1.8V: J4.36 U32.9
M.2_UART1_RXD_1.8V: J4.22 U32.6
M.2_UART1_TXD_1.8V: J4.32 U32.7
MB_3V3: D20.2(C) J10.13
MB_5V: D21.2(C) J10.14
MCU_ADC0_AIN0: R187.1 R193.1 U19.K25
MCU_ADC0_AIN1: R148.1 R149.1 U19.K26
MCU_ADC0_AIN2: R116.1 R117.1 U19.K28
MCU_ADC0_AIN3: R263.1 R266.1 U19.L28
MCU_ADC0_AIN4: R145.1 R146.1 U19.K24
MCU_ADC0_AIN5: R177.1 R178.1 U19.K27
MCU_ADC0_AIN6: R265.1 R271.1 U19.K29
MCU_ADC1_AIN0: R262.1 R273.1 U19.N23
MCU_I2C0_SCL: R63.2 U19.J26 U30.32
MCU_I2C0_SDA: R64.2 U19.H25 U30.33
MCU_I2C1_I3C0_SCL: J10.10 R199.2 R200.2 R245.2
MCU_I2C1_I3C0_SDA: J10.12 R194.2 R209.2 R210.2 R211.2
MCU_MDIO0_MDC: U15.16 U19.F23
MCU_MDIO0_MDIO: R102.1 U15.17 U19.E23
MCU_PORZ_OUT: R261.1 U19.B28
MCU_RESETSTATZ: R110.1 TP3.1(TP) U19.C27
MCU_RESETZ: R111.2 TP4.1(TP) U19.D28
MCU_RGMII_INT#: R181.2 U15.44 U19.D29
MCU_RGMII_RD0: R215.1 U19.B24
MCU_RGMII_RD1: R214.1 U19.A24
MCU_RGMII_RD2: R213.1 U19.D24
MCU_RGMII_RD3: R212.1 U19.A25
MCU_RGMII_RST#: R182.2 U15.43 U19.H26
MCU_RGMII_RX_CTL: R205.1 U19.C25
MCU_RGMII_RXC: R216.1 U19.C24
MCU_RGMII_TD0: R275.1 U19.B25
MCU_RGMII_TD1: R249.1 U19.A26
MCU_RGMII_TD2: R237.1 U19.A27
MCU_RGMII_TD3: R225.1 U19.A28
MCU_RGMII_TX_CTL: R230.1 U19.B27
MCU_RGMII_TXC: R248.1 U19.B26
MCU_SAFETY_ERRZ: U19.D27 U30.18
MMC0_CALPAD_R: R301.1 U19.AE1
MMC0_CLK: R305.1 U19.AF1
MMC0_CMD: R304.1 U19.AE3
MMC0_DAT0: R325.1 U19.AG2
MMC0_DAT1: R340.1 U19.AH1
MMC0_DAT2: R342.1 U19.AG3
MMC0_DAT3: R321.1 U19.AF4
MMC0_DAT4: R323.1 U19.AE5
MMC0_DAT5: R327.1 U19.AF3
MMC0_DAT6: R341.1 U19.AG1
MMC0_DAT7: R343.1 U19.AF2
MMC0_DS: R40.1 R41.2 U19.AE4
MMC1_CLK: R122.1 U19.P25
MMC1_CMD: D27.2 J12.3 R203.2 U19.R29
MMC1_DAT0: R198.1 U19.R24
MMC1_DAT1: R190.1 U19.P24
MMC1_DAT2: R207.1 U19.R25
MMC1_DAT3: R208.1 U19.R26
MMC1_SDCD: D22.2 J12.10 R161.2 U19.P23
MMC2_CLK: R274.1 U19.T26
MMC2_CLK_R: J4.9 R274.2 R366.2
MMC2_CMD: J4.11 R363.2 U19.T25
MMC2_DAT0: J4.13 R360.2 U19.T24
MMC2_DAT1: J4.15 R358.2 U19.T27
MMC2_DAT2: J4.17 R367.2 U19.T29
MMC2_DAT3: J4.19 R364.2 U19.T28
N23_ADC1_AIN0/C29_WKUP_GPIO0_59: D19.2 J10.1 R260.2 R273.2
OSC1_XI: R219.1 U19.P29
OSC1_XO: R227.1 U19.P27
OV1: R17.1 R352.2 U1.5
OV2: R14.1 R354.2 U1.4
OVERCUR1Z: R85.2 U4.10 U20.46
PCIE1_REFCLK_N: J4.49 R37.2 R95.2 R96.1
PCIE1_REFCLK_P: J4.47 R37.1 R91.1 R93.2
PCIE1_RX0_N: J4.43 U19.AH15
PCIE1_RX0_P: J4.41 U19.AJ14
PCIE1_RX1_N: J4.67 U19.AH16
PCIE1_RX1_P: J4.65 U19.AJ15
PCIE1_TX0_N: C377.2 J4.37
PCIE1_TX0_P: C375.2 J4.35
PCIE1_TX1_N: C368.2 J4.61
PCIE1_TX1_P: C373.2 J4.59
PG_1V1: R244.2 U18.3
PG_2V5: R243.2 U9.3
PHY_CLK_OUT: R386.1 U15.18
PHY_CLK_OUT_TP: R386.2 TP1.1(TP)
PHY_GPIO0: R196.2 R197.1 R387.1 U15.39
PHY_GPIO0_TP: R387.2 TP17.1(TP)
PHY_GPIO1: R184.2 R185.1 R388.1 U15.40
PHY_GPIO1_TP: R388.2 TP18.1(TP)
PHY_LED0: R167.2 R168.1 R183.2 R389.1 U15.47
PHY_LED0_TP: R389.2 TP19.1(TP)
PHY_LED1: R170.2 R175.1 R186.2 R390.1 U15.46
PHY_LED1_TP: R390.2 TP20.1(TP)
PHY_LED2: R179.2 R180.1 R191.2 R391.1 U15.45
PHY_LED2_TP: R391.2 TP21.1(TP)
PHY_RBIAS: R154.1 U15.12
PHY_TD_A_M: J9.3 U15.2 U17.2 U17.9
PHY_TD_A_P: J9.2 U15.1 U17.1 U17.10
PHY_TD_B_M: J9.5 U15.5 U17.5 U17.6(NC4)
PHY_TD_B_P: J9.4 U15.4 U17.4 U17.7
PHY_TD_C_M: J9.7 U13.2 U13.9 U15.8
PHY_TD_C_P: J9.6 U13.1 U13.10 U15.7
PHY_TD_D_M: J9.9 U13.5 U13.6(NC4) U15.11
PHY_TD_D_P: J9.8 U13.4 U13.7 U15.10
PHY_VDD_1V1: C287.1 C288.1 C290.1 C292.1 C298.1 C299.1 C303.1 C306.1 C336.1 C337.1 FL12.2 U15.6 U15.24 U15.31 U15.42
PHY_VDDA_1V8_1: TP6.1(TP) U15.13
PHY_VDDA_1V8_2: TP5.1(TP) U15.48
PHY_VDDA_2V5: C304.1 C305.1 C307.1 C308.1 C311.1 C312.1 FL8.2 U15.3 U15.9
PHY_VDDIO_3V3: C289.1 C291.1 C293.1 C294.1 C295.1 C297.1 C326.1 C327.1 FL10.2 R167.1 R170.1 R179.1 R181.1 R182.1 R184.1 R196.1 R204.1 U15.19 U15.30 U15.41
PHY_XI: C321.1 U15.15 X1.1
PHY_XO: C322.1 R174.2 X1.3
PHY_XO_R: R174.1 U15.14(XO)
PMIC_ENABLE: R1.2 R339.1 U30.20
PMIC_I2C1_SCL: R378.2 U29.31 U30.31
PMIC_I2C1_SDA: R379.2 U29.30 U30.30
PMIC_MCU_INT#: R127.1 U19.G28
PMIC_POWER_EN1: U19.G23 U30.42
PMIC_WAKE2: R8.2 R11.1 U29.42
PMICA_AMUXOUT: TP10.1(TP) U30.1
PMICB_AMUXOUT: TP9.1(TP) U29.1
PR1: R22.1 R350.2 U1.6
PWR_BUT: P9.9 SW2.2 SW2.4(B2) U8.3
PWRCTL1/BATEN1: R84.1 U4.4 U20.36
R23_LED_USR1: R369.1 U19.R23
R_OSC1_XI: C328.1 R219.2 X3.1
R_OSC1_XO: C334.1 R227.2 X3.3
R_WKUP_OSC0_XIN: C335.1 R226.2 X2.1
R_WKUP_OSC0_XOUT: C325.1 R217.2 X2.3
RES_LM5141: C101.1 U3.24
RESET_REQZ: R104.2 R106.2
RESETSTATZ: P9.10 R87.1 R152.2 R288.1 R316.1 U6.1 U19.T6
RT_LM5141: R59.1 U3.4
RX_CLK: R216.2 U15.32
RX_CTRL: R195.1 R204.2 R205.2 U15.38
RX_D0: R215.2 U15.33
RX_D1: R214.2 U15.34
RX_D2: R213.2 U15.35
RX_D3: R212.2 U15.36
RXD: R373.2 U31.6
SD_CLK: D23.2 J12.5 R122.2
SD_DAT0: D28.2 J12.7 R188.2 R198.2
SD_DAT1: D29.2 J12.8 R189.2 R190.2
SD_DAT2: D25.2 J12.1 R201.2 R207.2
SD_DAT3: D26.2 J12.2 R202.2 R208.2
SERDES0_REXT: R100.1 U19.AE18
SERDES1_REXT: R94.1 U19.AE13
SERDES2_REXT: R97.1 U19.AD13
SERDES3_REXT: R88.1 U19.AE8
SERDES4_REXT: R89.1 U19.F9
SOC_EMU0: J11.7 R228.2 U19.C26
SOC_EMU1: J11.10 R229.2 U19.B29
SOC_INT1Z: R65.2 U19.AC18
SOC_INT2Z: R272.2 U19.F29
SOC_PORZ_OUT: R68.1 U19.U1
SOC_RESET_REQZ: R104.1 U19.C28
SOC_SAFETY_ERRZ: U19.U4 U30.46
SOC_SERDES1_REFCLK_N: R95.1 U19.AE14
SOC_SERDES1_REFCLK_P: R93.1 U19.AD15
SOC_TCK: J11.4 R165.2 U19.E29
SOC_TDI: J11.8 U19.V1
SOC_TDO: J11.6 U19.V3
SOC_TMS: J11.2 R160.2 U19.V2
SOC_TRST#: J11.9 R159.1 U19.F24
SOC_WAKE: R169.2 U11.4(Y) U19.G25
SS: C19.1 U1.11
SS_1V1: C544.1 U18.7(SS)
SS_2V5: C539.1 U9.7(SS)
SS_LM5141: C96.1 U3.22
SW_LM5141: C92.2 L2.1 Q2.5 Q3.1 Q3.2 Q3.3 U3.12
SW_RESET: SW3.2 SW3.4(B2) U8.1
SYS_MCU_EN: R1.1 TP7.1(TP) U16.4(Y)
SYS_MCU_PWRDN: R192.1 U14.1 U19.E25
T23_LED_USR0: R368.1 U19.T23
T_USB1_DN2_D_N: D15.3(IO2) J8.11 L8.2
T_USB1_DN2_D_P: D15.2 J8.12 L8.3
T_USB1_SSRX_DN2_N: D17.3(IO2) J8.14 L10.2
T_USB1_SSRX_DN2_P: D17.2 J8.15 L10.3
T_USB1_SSTX_DN2_N: D14.3(IO2) J8.17 L7.2
T_USB1_SSTX_DN2_P: D14.2 J8.18 L7.3
TPS2561_ILIM: R86.1 U4.7
TPS62813_COMP: R344.1 U28.7
TPS62813_FB: C504.2 R346.1 R348.2 U28.5
TPS62813_PG: R347.2 U28.9
TPS62813_SS: C495.1 U28.6
TPS62813_SW: L15.1 U28.3
TX_CLK: R248.2 U15.29
TX_CTRL: R230.2 U15.37
TX_D0: R275.2 U15.28